# KiCad board cpu-blitter-inputs.kicad_pcb (continued)
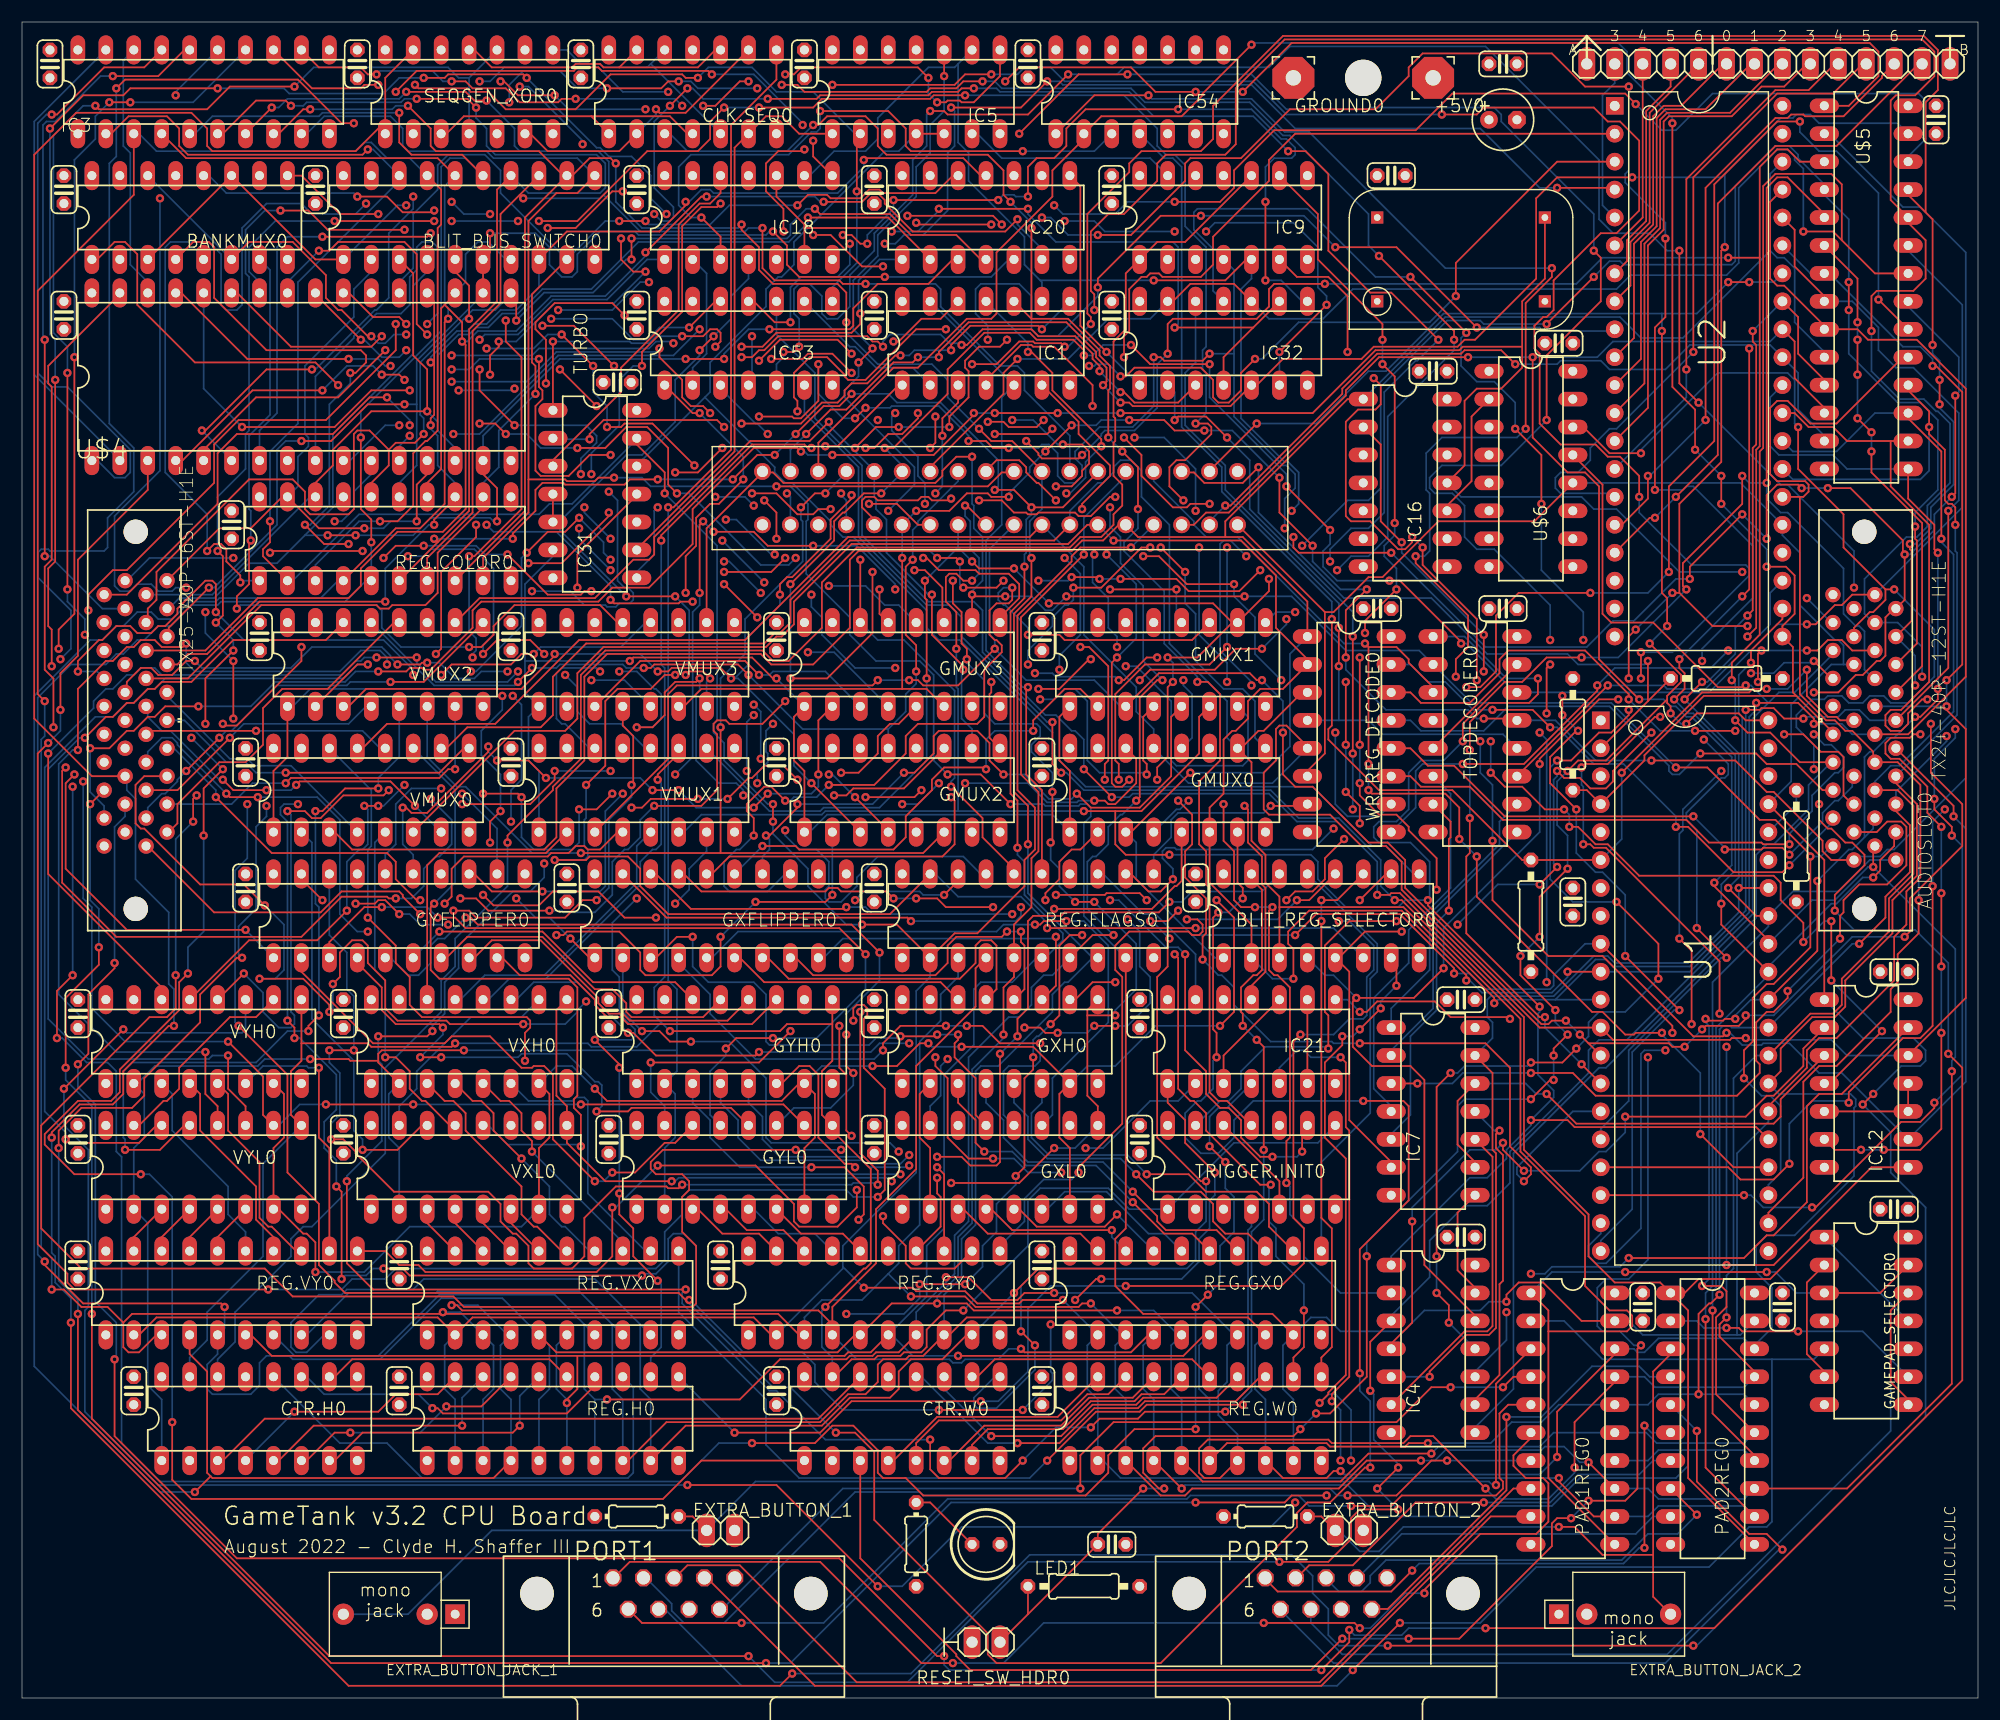
[diagram p0: board, top side]
## Routing (per net, layer and track width the routed paths; a pad name or vN(x,y) marks a point on that pad's centre or on a via; arc(x,y) is an arc through that point) (continued)
~{XRELOAD}: length 151.5
  Top w0.152: v1(97.47,72.39) v1(95.73,72.39) ; GXH0.9 96.84,62.55 96.84,62.07 ; v1(93.5,77.79) 93.66,77.95 v1(93.66,82.39) ; 96.84,62.07 96.84,54.77 97.79,53.82 GXL0.9 ; 96.84,62.07 v1(99.38,62.07) ; v1(84.61,101.6) 84.61,99.54 85.41,98.74 85.41,95.88 85.88,95.41 v1(85.88,94.46) ; v1(83.66,114.78) 83.66,116.36 85.09,117.79 IC1.3 ; VXH0.9 48.58,62.55 48.58,54.77 49.53,53.82 VXL0.9 49.53,50.48 53.02,46.99 v1(59.05,46.99) ; v1(93.82,50.01) 90.65,46.83 v1(84.45,46.83)
  In1.Cu w0.152: v1(84.61,101.6) 83.98,102.23 83.98,106.68 83.03,107.63 v1(83.03,109.54) ; v1(79.06,46.99) 82.55,46.99 82.87,46.67 84.3,46.67 v1(84.45,46.83)
  Bottom w0.152: v1(79.06,46.99) 78.74,47.31 59.69,47.31 59.37,46.99 v1(59.05,46.99) ; GXL0.9 95.73,50.01 v1(93.82,50.01) ; v1(97.47,72.39) 101.28,68.58 101.28,64.45 99.38,62.55 v1(99.38,62.07) ; v1(95.73,72.39) 94.3,73.82 94.3,75.41 93.5,76.2 v1(93.5,77.79) ; v1(93.66,82.39) 93.66,84.14 91.76,86.04 91.76,86.68 92.55,87.47 92.55,88.27 92.23,88.58 88.42,88.58 87.47,89.53 87.47,92.55 85.88,94.14 v1(85.88,94.46) ; v1(83.66,114.78) 83.66,110.17 v1(83.03,109.54)

## Copper pours and planes (outline as drawn; the poured copper is in the pictures)
GND on In2.Cu: 179.15,-2.62 -1.35,-2.62 -1.35,153.75 179.15,153.75
VCC on In1.Cu: 179.15,-2.62 -1.35,-2.62 -1.35,153.75 179.15,153.75

## Text on the board
B.Silkscreen: GROUND | +5V
F.Fab: 28MHz
F.Silkscreen: A | 3 | 4 | 5 | 6 | 0 | 1 | 2 | 7 | B | JLCJLCJLCJLC | August 2022 - Clyde H. Shaffer III | TURBO | GameTank v3.2 CPU Board
